# Altium PCB HVSUP_ISOL_Mainboard.PCBDOC (part 1 of 3) (continued)
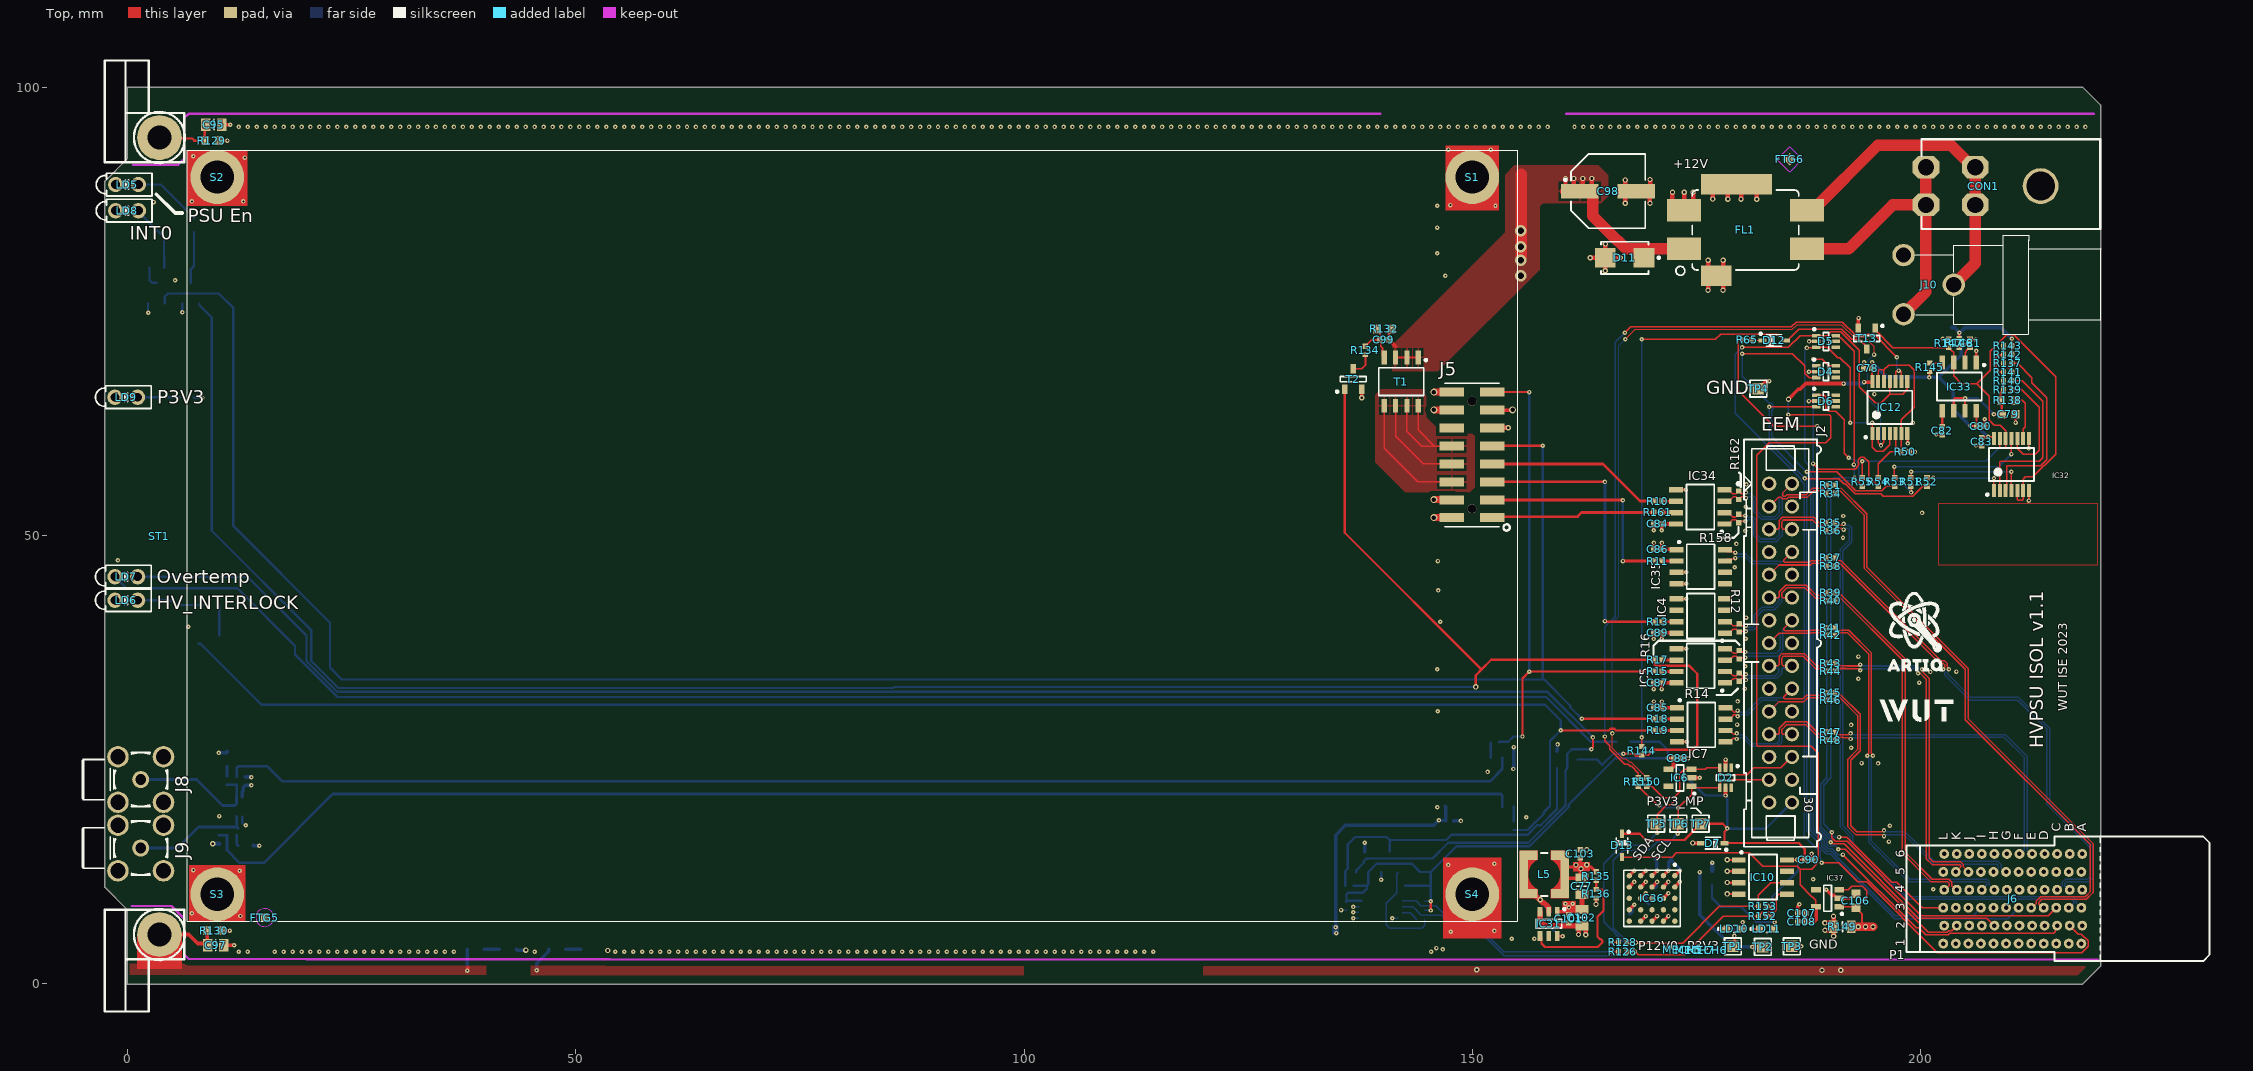
[diagram p0: Top view]
## Classes and differential pairs
net class ESD_STRIP: CHASSIS STRIP1 STRIP2
net class BP_IO.LVDS_P[0..7]: BP_IO.LVDS_P0 BP_IO.LVDS_P1 BP_IO.LVDS_P2 BP_IO.LVDS_P3 BP_IO.LVDS_P4 BP_IO.LVDS_P5 BP_IO.LVDS_P6 BP_IO.LVDS_P7
net class BP_IO.LVDS_N[0..7]: BP_IO.LVDS_N0 BP_IO.LVDS_N1 BP_IO.LVDS_N2 BP_IO.LVDS_N3 BP_IO.LVDS_N4 BP_IO.LVDS_N5 BP_IO.LVDS_N6 BP_IO.LVDS_N7
component class U_DIOT_Connectors: C78 C79 C80 C81 C82 C83 D4 D5 D6 D12 IC12 IC32 IC33 J6 R50 R51 R52 R53 R54 R55 R65 R137 R138 R139 R140 R141 R142 R143 R144 R145 R146 R147 T13
net class Hpower: GNDF P12V0F
component class U_Supply_HV_ISOL: C77 C98 C99 C100 C101 C102 C103 C104 C105 C106 C107 C108 CON1 D7 D11 D13 FL1 IC31 IC36 IC37 J10 L5 LD10 LD11 R131 R132 R133 R134 R135 R136 R159 R160 T1 T2 TP1 TP2 TP3 TP4
component class EEM_connector: C84 C85 C86 C87 C88 C89 C90 D2 IC4 IC5 IC6 IC7 IC10 IC34 IC35 J2 R10 R11 R12 R13 R14 R15 R16 R17 R18 R19 R31 R34 R35 R36 R37 R38 R39 R40 R41 R42 R43 R44 R45 R46 R47 R48 R149 R150 R151 R152 R153 R158 R161 R162 TP5 TP6 TP7
component class HVSUP_ISOL: C91 C92 C93 C94 C95 C96 C97 D10 FTG5 FTG6 FTG7 FTG8 IC29 IC30 J5 J8 J9 LD5 LD6 LD7 LD8 LD9 MECH5 MECH6 MECH7 R110 R111 R112 R113 R114 R115 R116 R117 R118 R119 R120 R121 R122 R123 R124 R125 R126 R127 R128 R129 R130 R154 R155 R156 R157 S1 S2 S3 S4 ST1 T3 T4 T9 T10 T11 T14
differential pair BP_IO.LVDS4: +BP_IO.LVDS_P4 -BP_IO.LVDS_N4
differential pair BP_IO.LVDS3: +BP_IO.LVDS_P3 -BP_IO.LVDS_N3
differential pair BP_IO.LVDS2: +BP_IO.LVDS_P2 -BP_IO.LVDS_N2
differential pair BP_IO.LVDS1: +BP_IO.LVDS_P1 -BP_IO.LVDS_N1
differential pair BP_IO.LVDS0: +BP_IO.LVDS_P0 -BP_IO.LVDS_N0
differential pair PE_CLK.CLK: +PE_CLK.CLK_P -PE_CLK.CLK_N
differential pair BP_IO.LVDS7: +BP_IO.LVDS_P7 -BP_IO.LVDS_N7
differential pair BP_IO.LVDS6: +BP_IO.LVDS_P6 -BP_IO.LVDS_N6
differential pair BP_IO.LVDS5: +BP_IO.LVDS_P5 -BP_IO.LVDS_N5
differential pair LVDS7: +LVDS7_P -LVDS7_N
differential pair LVDS6: +LVDS6_P -LVDS6_N
differential pair LVDS5: +LVDS5_P -LVDS5_N
differential pair LVDS4: +LVDS4_P -LVDS4_N
differential pair LVDS3: +LVDS3_P -LVDS3_N
differential pair LVDS2: +LVDS2_P -LVDS2_N
differential pair LVDS1: +LVDS1_P -LVDS1_N
differential pair LVDS0: +LVDS0_P -LVDS0_N

## Components (designator, comment, footprint, x,y, rotation, side; value= is the part's Value field where it differs from the comment)
C77 "22uF" CAPC2012X135N 162.234,10.891 r90 top
C78 "100nF" CAPC1005X55N 194.126,68.684 r0 top
C79 "22uF" CAPC1608X90N 209.805,63.539 r180 top
C80 "100nF" CAPC1005X55N 206.705,62.214 r180 top
C81 "1uF" CAPC1005X55N 205.52,71.45 r270 top
C82 "100nF" CAPC1005X55N 202.425,61.715 r90 top
C83 "100nF" CAPC1005X55N 206.845,60.5 r90 top
C84 "100nF" CAPC1005X55N 170.7,51.306 r0 top
C85 "100nF" CAPC1005X55N 170.7,30.806 r0 top
C86 "100nF" CAPC1005X55N 170.7,48.5 r0 top
C87 "100nF" CAPC1005X55N 170.7,33.58 r0 top
C88 "100nF" CAPC1005X55N 172.931,25.168 r180 top
C89 "100nF" CAPC1005X55N 170.7,39.176 r0 top
C90 "100nF" CAPC1005X55N 187.544,13.83 r180 top
C91 "100nF" CAPC1005X55N 13.15,22.645 r270 bottom
C92 "Undefined" CAPC1608X90N 11.08,25.025 r270 bottom
C93 "100nF" CAPC1005X55N 147.5,18.175 r180 bottom
C94 "Undefined" CAPC1608X90N 13.101,15.41 r180 bottom
C95 "Undefined" CAPC2012X135N 9.625,95.85 r0 top
C96 "100nF" CAPC1005X55N 135.95,8.703 r90 bottom
C97 "Undefined" CAPC2012X135N 9.825,4.314 r0 top
C98 "220uF" CAPAE830X620N 165.146,88.435 r0 top
C99 "1uF" CAPC1005X55N 140.15,71.845 r0 top
C100 "100nF" CAPC1005X55N 158.525,7.8 r90 bottom
C101 "100nF" CAPC1005X55N 160.776,7.275 r270 top
C102 "22uF" CAPC2012X135N 162.234,7.407 r270 top
C103 "100nF" CAPC1005X55N 162.033,14.536 r270 top
C104 "22uF" CAPC2012X135N 170.6,8.95 r180 bottom
C105 "22uF" CAPC2012X135N 171.32,13.935 r0 bottom
C106 "1uF" CAPC1608X87N 192.788,9.275 r270 top
C107 "1uF" CAPC1005X55N 186.755,7.909 r0 top
C108 "1uF" CAPC1005X55N 186.755,6.944 r0 top
CON1 "MRX56904CV" MRX56904CV 206.1,91.1 r90 top
D2 "DRTR5V0U4S-7" SOT65P210X110-6N 178.248,23 r270 top
D4 "PESD3V3L5UY" SOT65P210X110-6N 189.443,68.295 r0 top
D5 "PESD3V3L5UY" SOT65P210X110-6N 189.451,71.671 r0 top
D6 "PESD3V3L5UY" SOT65P210X110-6N 189.443,65.021 r0 top
D7 "BAT165" SOD2512X110N 176.825,15.712 r180 top
D10 "DRTR5V0U4S-7" SOT65P210X110-6N 12.8,19.775 r90 bottom
D11 "SMBJ15A" DIOM5336X265N 167,81 r180 top
D12 "BAT165" SOD2512X110N 183.665,71.775 r0 top
D13 "BAT165" SOD2512X110N 166.7,15.45 r270 top
FL1 "10A/50VDC" FIL_MURATA_BNX02 180.475,84.1 r180 top
FTG5 "Use only in PCB" FIDUCIAL_TOP_C100-200 15.3,7.4 r90 top
FTG6 "Use only in PCB" FIDUCIAL_TOP_S100-200 185.4,91.974 r90 top
FTG7 "Use only in PCB" FIDUCIAL_TOP_S100-200 16.6,9 r90 bottom
FTG8 "Use only in PCB" FIDUCIAL_TOP_S100-200 185.4,91.974 r90 bottom
IC4 "FIN1028MX" SOIC127P600X175-8N 175.493,41.041 r180 top
IC5 "FIN1028MX" SOIC127P600X175-8N 175.483,35.485 r180 top
IC6 "24AA02E48T-I/OT" SOT95P280X145-5N 173.168,22.981 r180 top
IC7 "FIN1027AMX" SOIC127P600X175-8N 175.543,28.906 r0 top
IC10 "24AA02E48T-I/SN" SOIC127P600X175-8N 182.425,11.925 r0 top
IC12 "74HC4066PW" SOP65P640X110-14N 196.57,64.325 r90 top
IC29 "SN74LVC14AD" SOIC127P600X175-14N 150.8,22.5 r270 bottom
IC30 "LM75AIMM/NOPB" SOP65P490X109-8N 139.975,8.291 r180 bottom
IC31 "AP62201WU-7" SOT95P280X100-6N 158.525,6.7 r270 top
IC32 "74HC4066PW" SOP65P640X110-14N 210.145,57.94 r90 top
IC33 "TLC555ID" SOIC127P600X175-8N 204.33,66.639 r270 top
IC34 "FIN1028MX" SOIC127P600X175-8N 175.432,53.206 r180 top
IC35 "FIN1027AMX" SOIC127P600X175-8N 175.483,46.541 r0 top
IC36 "LTM4622AEY#PBF" BGA25C127P5X5_625X625X262 170.05,9.54 r270 top
IC37 "MIC5219-3.3YM5" SOT95P280X145-5N 189.638,9.565 r180 top
J2 "IDC" 3M_N2530-6002RB 184.384,38.018 r270 top locked
J5 "PLMTD16S-CT or 87759-1650" 87759-1650 149.964,59.004 r90 top locked
J6 "P1" AMPHENOL_10052825-101LF 210.289,9.5 r90 top locked
J8 "MCX" AMPHENOL_919-383J-51A 1.465,22.8 r180 top locked
J9 "MCX" AMPHENOL_919-383J-51A 1.465,15.16 r180 top locked
J10 "Jack" SWITCHCRAFT_L712RA 198.108,74.7 r180 top
L5 "3.3uH" IND_WURTH_WE-TPC_4828 158.026,12.207 r0 top
LD5 "Green" LED_DIALIGHT_555-230 -1.336,89.169 r0 top locked
LD6 "Green" LED_DIALIGHT_555-230 -1.415,42.8 r0 top locked
LD7 "Red" LED_DIALIGHT_555-200 -1.415,45.425 r0 top locked
LD8 "Green" LED_DIALIGHT_555-230 -1.336,86.25 r0 top locked
LD9 "Green" LED_DIALIGHT_555-230 -1.424,65.445 r0 top locked
LD10 "Green" LED_KINGBRIGHT_KPH-1608CGCK 179.239,6.131 r0 top
LD11 "Green" LED_KINGBRIGHT_KPH-1608CGCK 182.861,6.131 r0 top
MECH5 "R317580000" GENERIC_MECH 173.479,3.822 r90 top
MECH6 "R317580000" GENERIC_MECH 176.273,3.782 r90 top
MECH7 "R317580000" GENERIC_MECH 174.876,3.782 r90 top
R10 "100" RESC1005X40N 170.7,53.868 r0 top
R11 "100" RESC1005X40N 170.7,47.175 r0 top
R12 "100" RESC1005X40N 179.795,39.713 r90 top
R13 "100" RESC1005X40N 170.7,40.406 r0 top
R14 "100" RESC1005X40N 179.771,34.227 r90 top
R15 "100" RESC1005X40N 170.7,34.853 r0 top
R16 "100" RESC1005X40N 179.771,36.712 r90 top
R17 "1k" RESC1005X40N 170.7,36.15 r0 top
R18 "100" RESC1005X40N 170.7,29.575 r0 top
R19 "100" RESC1005X40N 170.7,28.271 r0 top
R31 "0" RESC1005X40N 189.995,55.616 r0 top
R34 "0" RESC1005X40N 189.995,54.706 r0 top
R35 "0" RESC1005X40N 189.995,51.456 r0 top
R36 "0" RESC1005X40N 189.995,50.55 r0 top
R37 "0" RESC1005X40N 189.975,47.525 r0 top
R38 "0" RESC1005X40N 189.975,46.6 r0 top
R39 "0" RESC1005X40N 190,43.625 r0 top
R40 "0" RESC1005X40N 190,42.75 r0 top
R41 "0" RESC1005X40N 189.995,39.75 r0 top
R42 "0" RESC1005X40N 190,38.875 r0 top
R43 "0" RESC1005X40N 190,35.775 r0 top
R44 "0" RESC1005X40N 190,34.9 r0 top
R45 "0" RESC1005X40N 190,32.5 r0 top
R46 "0" RESC1005X40N 190,31.625 r0 top
R47 "0" RESC1005X40N 190,28.1 r0 top
R48 "0" RESC1005X40N 190,27.2 r0 top
R50 "200" RESC1005X40N 198.27,59.35 r180 top
R51 "22" RESC1005X40N 198.914,55.992 r270 top
R52 "22" RESC1005X40N 200.72,55.992 r270 top
R53 "22" RESC1005X40N 197.108,55.992 r270 top
R54 "22" RESC1005X40N 195.301,55.992 r270 top
R55 "22" RESC1005X40N 193.495,55.992 r270 top
R65 "22" RESC1005X40N 180.679,71.836 r180 top
R110 "51" RESC1005X40N 12.175,22.645 r90 bottom
R111 "51" RESC1005X40N 152.515,26.925 r0 bottom
R112 "51" RESC1005X40N 11.085,22.7 r270 bottom
R113 "51" RESC1005X40N 11.085,17.05 r270 bottom
R114 "10k" RESC1005X40N 10.2,16.1 r270 bottom
R115 "51" RESC1005X40N 12.175,17.035 r90 bottom
R116 "100" RESC1005X40N 154.61,17.64 r270 bottom
R117 "220" RESC1608X55N 3.25,79.9 r180 bottom
R118 "220" RESC1608X55N 6.6,65.45 r0 bottom
R119 "220" RESC1608X55N 7.4,84.675 r270 bottom
R120 "220" RESC1608X55N 9.35,42.275 r0 bottom
R121 "220" RESC1608X55N 166.861,27.001 r180 bottom
R122 "10k" RESC1005X40N 136.298,10.966 r180 bottom
R123 "10k" RESC1005X40N 142.04,10.966 r180 bottom
R124 "10k" RESC1005X40N 144.25,9.216 r0 bottom
R125 "10k" RESC1005X40N 144.25,8.191 r0 bottom
R126 "0" RESC1005X40N 166.777,3.6 r180 top
R127 "0" RESC1005X40N 144.25,7.141 r0 bottom
R128 "0" RESC1005X40N 166.777,4.621 r180 top
R129 "0" RESC1608X55N 9.414,94.075 r180 top
R130 "0" RESC1608X55N 9.675,5.95 r180 top
R131 "10k" RESC1005X40N 179.725,6.131 r180 bottom
R132 "100k" RESC1608X55N 140.189,73.069 r0 top
R133 "1k" RESC1608X55N 176.75,11.8 r270 bottom
R134 "10k" RESC1005X40N 138.075,70.67 r90 top
R135 "31k6" RESC1005X35N 163.834,12.036 r90 top
R136 "10k" RESC1005X40N 163.834,10.064 r90 top
R137 "10k" RESC1005X40N 209.73,69.23 r0 top
R138 "2k7" RESC1608X55N 209.755,65.089 r0 top
R139 "5k6" RESC1005X40N 209.73,66.289 r0 top
R140 "10k" RESC1005X40N 209.73,67.269 r0 top
R141 "10k" RESC1005X40N 209.73,68.25 r0 top
R142 "1k6" RESC1005X40N 209.73,70.211 r0 top
R143 "1k6" RESC1005X40N 209.73,71.191 r0 top
R144 "0" RESC1005X40N 168.897,26.015 r90 top
R145 "0" RESC1005X40N 201.005,68.789 r270 top
R146 "10k" RESC1005X40N 204.318,71.501 r270 top
R147 "10k" RESC1005X40N 203.124,71.45 r270 top
R149 "0" RESC2012X60N 191.289,6.377 r0 top
R150 "0" RESC1005X40N 169.484,22.531 r90 top
R151 "0" RESC1005X40N 168.508,22.531 r90 top
R152 "10k" RESC1005X40N 182.391,7.542 r0 top
R153 "10k" RESC1005X40N 182.391,8.637 r0 top
R154 "4M7" RESC2113X55N 47.909,3.85 r0 bottom
R155 "4M7" RESC2113X55N 51.5,3.85 r0 bottom
R156 "4M7" RESC2113X55N 42.425,3.85 r180 bottom
R157 "4M7" RESC2113X55N 38.825,3.85 r180 bottom
R158 "100" RESC1005X40N 179.732,51.924 r90 top
R159 "10k" RESC1005X40N 170.878,10.734 r0 bottom
R160 "13k3" RESC1608X55N 167.51,7 r90 bottom
R161 "100" RESC1005X40N 170.7,52.596 r0 top
R162 "100" RESC1005X40N 179.732,54.513 r90 top
S1 "9774030151" 9774030151#1 150,90 r0 top locked
S2 "9774030151" 9774030151#2 10,90 r0 top locked
S3 "9774030151" 9774030151#2 10,10 r0 top locked
S4 "9774030151" 9774030151#2 150,10 r0 top locked
ST1 "SCHROFF_PANEL_3U_4HP" SCHROFF_PANEL_3HP_4U 3.556,5.512 r0 top locked
T1 "SI4425DDY-T1-GE3" SOIC127P600X175-8N 142.075,67.195 r270 top
T2 "BSS138LT1G" SOT95P240X110-3N 136.725,67.47 r90 top
T3 "BSS138LT1G" SOT95P240X110-3N 3.204,77.062 r90 bottom
T4 "BSS138LT1G" SOT95P240X110-3N 7.059,77.062 r90 bottom
T9 "BSS138LT1G" SOT95P240X110-3N 9.075,38.9 r0 bottom
T10 "BSS138LT1G" SOT95P240X110-3N 137.05,13.616 r270 bottom
T11 "BSS138LT1G" SOT95P240X110-3N 140.8,13.616 r90 bottom
T13 "BSH103" SOT95P230X110-3N 194,72 r270 top
T14 "BSS138LT1G" SOT95P240X110-3N 160.594,25.025 r0 bottom
TP1 "Test Point" TPS127 179.075,4.188 r0 top
TP2 "Test Point" TPS127 182.415,4.125 r90 top
TP3 "Test Point" TPS127 185.654,4.188 r90 top
TP4 "Test Point" TPS127 181.9,66.4 r90 top
TP5 "Test Point" TPS127 170.496,17.87 r0 top
TP6 "Test Point" TPS127 172.981,17.87 r180 top
TP7 "Test Point" TPS127 175.466,17.87 r180 top

## Footprints (in the part's own frame and the unit in brackets; to place one, negate y for a bottom-side part, rotate by r counter-clockwise, add the part's x,y. Pads: shape width x height; smd on the part's side, far side on the other; paste and mask are expansions set on the pad)
3M_N2530-6002RB [mm] "30 Contacts - Straight .100\" x .100\" Low Profile Four-Wall Header"
  round 1.6 hole 1: 1(-17.78,-1.27) 2(-17.78,1.27) 3(-15.24,-1.27) 4(-15.24,1.27) 5(-12.7,-1.27) 6(-12.7,1.27) 7(-10.16,-1.27) 8(-10.16,1.27) 9(-7.62,-1.27) 10(-7.62,1.27) 11(-5.08,-1.27) 12(-5.08,1.27) 13(-2.54,-1.27) 14(-2.54,1.27) 15(0,-1.27) 16(0,1.27) 17(2.54,-1.27) 18(2.54,1.27) 19(5.08,-1.27) 20(5.08,1.27) 21(7.62,-1.27) 22(7.62,1.27) 23(10.16,-1.27) 24(10.16,1.27) 25(12.7,-1.27) 26(12.7,1.27) 27(15.24,-1.27) 28(15.24,1.27) 29(17.78,-1.27) 30(17.78,1.27)
  silkscreen extent -22.71,-4.85 22.71,4.52, body extent -22.71,-4.11 22.71,4.52, height 9.91
87759-1650 [mm] "2mm pin header"
  rect 1x2.75 smd: 1(-7,-2.25) 2(-7,2.25) 3(-5,-2.25) 4(-5,2.25) 5(-3,-2.25) 6(-3,2.25) 7(-1,-2.25) 8(-1,2.25) 9(1,-2.25) 10(1,2.25) 11(3,-2.25) 12(3,2.25) 13(5,-2.25) 14(5,2.25) 15(7,-2.25) 16(7,2.25)
  round 1 hole 1 unplated: ""(-6,0) ""(6,0)
  silkscreen extent -8.44,-4.22 8,3, body extent -8,-2.75 7.9,2.75, height 6.55
9774030151#1 [mm] "SMD Steel Spacer with internal Thread"
  round 6 smd paste-2539.97: 1(0,0)
  round 0 / inner round 0 / far side oval 6x0 hole 3.7 unplated: ""(0,0)
  body extent -2.55,-2.54 2.53,2.55, height 3
9774030151#2 [mm] "SMD Steel Spacer with internal Thread"
  round 6 smd paste-2539.97: 1(0,0)
  round 0 hole 3.7 unplated: ""(0,0)
  body extent -2.55,-2.54 2.53,2.55, height 3
AMPHENOL_919-383J-51A [mm] "50 Ohm, RF Connector, MCX Right Angle PCB Receptacle Jack"
  round 1.9 hole 1.2: 1(0,0)
  round 2.4 hole 1.7: 2(-2.54,2.54) 2(-2.54,-2.54) 2(2.54,2.54) 2(2.54,-2.54)
  silkscreen extent -3,-3 6.5,3, body extent -3,-3 6.5,3, height 6
AMPHENOL_10052825-101LF [mm] "72 Contacts, 2mm Pitch, 6 Columns, 4 Pairs per Column, 4 Walls, Right Angle Header"
  round 1.1 hole 0.5: A1(-5,-7.65) A2(-3,-7.75) A3(-1,-7.65) A4(1,-7.75) A5(3,-7.65) A6(5,-7.75) B1(-5,-6.25) B2(-3,-6.35) B3(-1,-6.25) B4(1,-6.35) B5(3,-6.25) B6(5,-6.35) C1(-5,-4.85) C2(-3,-4.95) C3(-1,-4.85) C4(1,-4.95) C5(3,-4.85) C6(5,-4.95) D1(-5,-3.45) D2(-3,-3.55) D3(-1,-3.45) D4(1,-3.55) D5(3,-3.45) D6(5,-3.55) E1(-5,-2.05) E2(-3,-2.15) E3(-1,-2.05) E4(1,-2.15) E5(3,-2.05) E6(5,-2.15) F1(-5,-0.65) F2(-3,-0.75) F3(-1,-0.65) F4(1,-0.75) F5(3,-0.65) F6(5,-0.75) G1(-5,0.75) G2(-3,0.65) G3(-1,0.75) G4(1,0.65) G5(3,0.75) G6(5,0.65) H1(-5,2.15) H2(-3,2.05) H3(-1,2.15) H4(1,2.05) H5(3,2.15) H6(5,2.05) I1(-5,3.55) I2(-3,3.45) I3(-1,3.55) I4(1,3.45) I5(3,3.55) I6(5,3.45) J1(-5,4.95) J2(-3,4.85) J3(-1,4.95) J4(1,4.85) J5(3,4.95) J6(5,4.85) K1(-5,6.35) K2(-3,6.25) K3(-1,6.35) K4(1,6.25) K5(3,6.35) K6(5,6.25) L1(-5,7.75) L2(-3,7.65) L3(-1,7.75) L4(1,7.65) L5(3,7.75) L6(5,7.65)
  silkscreen extent -6.95,-21.95 6.95,11.85, body extent -6.95,-21.95 6.95,11.85, height 15.25
BGA25C127P5X5_625X625X262 [mm] "BGA, 1.27mm Pitch, Square; 25 Pin, 5 Columns X 5 Rows, 6.25mm X 6.25mm X 2.62mm H"
  round 0.6 smd: A1(-2.54,2.54) A2(-1.27,2.54) A3(0,2.54) A4(1.27,2.54) A5(2.54,2.54) B1(-2.54,1.27) B2(-1.27,1.27) B3(0,1.27) B4(1.27,1.27) B5(2.54,1.27) C1(-2.54,0) C2(-1.27,0) C3(0,0) C4(1.27,0) C5(2.54,0) D1(-2.54,-1.27) D2(-1.27,-1.27) D3(0,-1.27) D4(1.27,-1.27) D5(2.54,-1.27) E1(-2.54,-2.54) E2(-1.27,-2.54) E3(0,-2.54) E4(1.27,-2.54) E5(2.54,-2.54)
  silkscreen extent -3.87,-3.15 3.15,3.15, body extent -3.12,-3.12 3.13,3.13, height 2.62
CAPAE830X620N [mm] "Capacitor, Aluminium Electrolytric, 8.3mm L X 8.3mm W X 6.2mm H, IPC Medium Density"
  rect 4.15x1.6 smd: 1(-3.15,0) 2(3.15,0)
  silkscreen extent -4.9,-4.15 4.15,4.15, body extent -4.75,-4.25 4.75,4.25, height 6.2
CAPC1005X55N [mm] "Capacitor, Non-Polarized, Chip; 1.00mm L X 0.50mm W X 0.70mm H, IPC Medium Density"
  rect 0.62x0.62 smd: 1(-0.45,0) 2(0.45,0)
  body extent -0.52,-0.27 0.53,0.28, height 0.55
CAPC1608X87N [mm] "Chip Capacitor, Body 1.6x0.8mm IPC Medium Density"
  rect 0.95x1 smd: 1(-0.8,0) 2(0.8,0)
  body extent -0.87,-0.47 0.88,0.48, height 0.87
CAPC1608X90N [mm] "Chip Capacitor, Body 1.6x0.8mm IPC Medium Density"
  rect 0.95x0.95 smd: 1(-0.75,0) 2(0.75,0)
  body extent -0.85,-0.45 0.85,0.45, height 0.9
CAPC2012X135N [mm] "Chip Capacitor, Body 2.0x1.25mm, IPC Medium Density"
  rect 1.05x1.4 smd: 1(-0.9,0) 2(0.9,0)
  silkscreen extent 0,-0.58 0,0.58, body extent -1.05,-0.67 1.05,0.68, height 1.25
DIOM5336X265N [mm] "DO-214-AA/SMB Diode, Molded Body; 5.34mm L X 3.625mm W X 2.65mm H, IPC Medium Density"
  rect 2.3x2.15 smd: 1(-2.15,0) 2(2.15,0)
  silkscreen extent -3.93,-1.8 2.65,1.8, body extent -2.7,-1.95 2.7,1.95, height 2.4
FIDUCIAL_TOP_C100-200 [mm] "Round Fiducial Target, Top Layer, 1.0mm, Top Solder 2.0mm, Keepout =2.0mm"
  round 1 smd paste-0.51 mask+0.5: FTG2(0,0)
  Top keep-out circle w0.1: c0,0 r1
FIDUCIAL_TOP_S100-200 [mm] "Square Fiducial Target, Top Layer, 1.0mm, Top Solder 2.0mm, Keepout =2.0mm"
  rect 1x1 smd rot 45 paste-0.51 mask+0.5: 1(0,0)
  Top keep-out region: 1.414,0 0,-1.414 -1.414,0 0,1.414
FIL_MURATA_BNX02 [mm] "Block Type EMIFIL LC Combined Type, BNX02* Series"
  rect 3.8x2.5 smd: 1(-6.85,2.1) 2(6.85,2.1) 3(-6.85,-2.2) 4(6.85,-2.2)
  rect 7.9x2.3 smd: 4(1,-5.1)
  rect 3.4x2.3 smd: 4(3.25,5.1)
  silkscreen extent -5.95,-4.45 7.77,5.05, body extent -6.05,-4.55 6.05,4.55, height 3.1
GENERIC_MECH [mm]
IND_WURTH_WE-TPC_4828 [mm] "Shielded Tiny Power Inductor, Body 4.8x4.8mm"
  rect 0.95x5.3 smd: 1(-2.275,0) 2(2.275,0)
  rect 1.05x1.014 smd: 1(-1.275,-2.143) 1(-1.275,2.143) 2(1.275,-2.143) 2(1.275,2.143)
  Top region: 0.75,-2.65 2.75,-2.65 2.75,2.65 0.75,2.65 0.75,1.636 1.394,1.138 1.753,0.407 1.753,-0.407 1.394,-1.138 0.75,-1.636 0.75,-1.636
  Top region: -2.75,-2.65 -0.75,-2.65 -0.75,-1.636 -1.394,-1.138 -1.753,-0.407 -1.753,0.407 -1.394,1.138 -0.75,1.636 -0.75,1.636 -0.75,2.65 -2.75,2.65
  Top region: 2.75,-2.65 0.75,-2.65 0.75,-1.636 1.394,-1.138 1.753,-0.407 1.753,0.407 1.394,1.138 0.75,1.636 0.75,1.636 0.75,2.65 2.75,2.65
  silkscreen extent -0.35,-2.4 0.35,2.4, body extent -2.4,-2.4 2.4,2.4, height 2.8
LED_DIALIGHT_555-200 [mm] "Single 2mm Red LED, Body 5.08x2.54mm, Pin spacing 2.54mm"
  round 1.7 hole 1: 1(2.54,0) 2(0,0)
  silkscreen extent -2.16,-1.27 4.06,1.27, body extent -2.16,-1.27 4.06,1.27, height 6.35
LED_DIALIGHT_555-230 [mm] "Single 2mm Green LED, Body 5.08x2.54mm, Pin spacing 2.54mm"
  round 1.7 hole 1: 1(2.54,0) 2(0,0)
  silkscreen extent -2.16,-1.27 4.06,1.27, body extent -2.16,-1.27 4.06,1.27, height 6.35
LED_KINGBRIGHT_KPH-1608CGCK [mm] "SMT Green LED, Case 0603, Body L 1.6 x W 0.8mm H 0.65mm"
  rect 0.8x0.8 smd: 1(-0.825,0) 2(0.825,0)
  silkscreen extent -1.82,-0.4 0.08,0.4, body extent -0.8,-0.4 0.8,0.4, height 0.65
MRX56904CV [mm]
  oct 2.5x3 hole 1.8: 1(0,0) 2(-4.2,0) 3(0,5.5) 4(-4.2,5.5)
  round 4 hole 3.2: 9(-2.1,-7.3)
  silkscreen extent -6.88,-13.94 3.12,5.99, body extent -6.88,-14.02 3.12,5.92, height 11.4
RESC1005X35N [mm] "Chip Resistor, EIA 0402, Metric 1005, Body 1.0x0.5mm, IPC Medium Density"
  rect 0.58x0.62 smd: 1(-0.47,0) 2(0.47,0)
  body extent -0.52,-0.27 0.53,0.28, height 0.35
RESC1005X40N [mm] "Chip Resistor, EIA 0402, Metric 1005, Body 1.0x0.5mm, IPC Medium Density"
  rect 0.58x0.62 smd: 1(-0.47,0) 2(0.47,0)
  body extent -0.52,-0.27 0.53,0.28, height 0.4
RESC1608X55N [mm] "Chip Resistor, EIA 0603, Metric 1608, Body 1.6x0.8mm, IPC Medium Density"
  rect 0.9x1 smd: 1(-0.8,0) 2(0.8,0)
  body extent -0.87,-0.47 0.88,0.48, height 0.55
RESC2012X60N [mm] "Chip Resistor, EIA 0805, Metric 2012, Body 2.0x1.2mm, IPC Medium Density"
  rect 0.95x1.4 smd: 1(-1,0) 2(1,0)
  silkscreen extent 0,-0.55 0,0.55, body extent -1.1,-0.67 1.1,0.68, height 0.6
RESC2113X55N [mm] "Chip Resistor, EIA 0805, Metric 2113, Body 2.05x1.3mm, IPC Medium Density"
  rect 1x1.45 smd: 1(-0.95,0) 2(0.95,0)
  silkscreen extent 0,-0.55 0,0.55, body extent -1,-0.62 1,0.63, height 0.55
SCHROFF_PANEL_3HP_4U [mm] "Schroff PCB 3HP 4U Eurocard Panel Kit"
  round 5 hole 2.7: 0(0,0) 1(0,88.9)
  silkscreen extent -6.1,-8.6 2.75,97.5
SOD2512X110N [mm] "Small Outline Diode (SOD-323), 1.70mm W X 1.25mm L X 1.10mm H body,  IPC Medium Density"
  rect 0.9x0.5 smd: 1(-1.3,0) 2(1.3,0)
  silkscreen extent -1.63,-0.65 0.85,0.87, body extent -1.35,-0.67 1.35,0.68, height 1.1
SOIC127P600X175-8N [mm] "SOIC 8, Pitch 1.27mm - Body 4x5mm, IPC Medium Density"
  rect 1.55x0.6 smd: 1(-2.7,1.905) 2(-2.7,0.635) 3(-2.7,-0.635) 4(-2.7,-1.905) 5(2.7,-1.905) 6(2.7,-0.635) 7(2.7,0.635) 8(2.7,1.905)
  silkscreen extent -2.53,-2.5 1.55,2.88, body extent -3.1,-2.5 3.1,2.5, height 1.75
SOIC127P600X175-14N [mm] "SOIC 14, Pitch 1.27mm - Body 4x8.75mm, IPC Medium Density"
  rect 1.55x0.6 smd: 1(-2.7,3.81) 2(-2.7,2.54) 3(-2.7,1.27) 4(-2.7,0) 5(-2.7,-1.27) 6(-2.7,-2.54) 7(-2.7,-3.81) 8(2.7,-3.81) 9(2.7,-2.54) 10(2.7,-1.27) 11(2.7,0) 12(2.7,1.27) 13(2.7,2.54) 14(2.7,3.81)
  silkscreen extent -2.52,-4.4 1.55,4.78, body extent -3.1,-4.37 3.1,4.38, height 1.75
SOP65P490X109-8N [mm] "SOP, 0.65mm pitch; 8 pin,3.00mm W X 3.00mm L X 1.09mm H bodyI, PC Medium Density"
  rect 1.5x0.45 smd: 1(-2.2,0.975) 2(-2.2,0.325) 3(-2.2,-0.325) 4(-2.2,-0.975) 5(2.2,-0.975) 6(2.2,-0.325) 7(2.2,0.325) 8(2.2,0.975)
  silkscreen extent -2.83,-1.5 1.12,1.82, body extent -2.45,-1.55 2.45,1.55, height 1.09
SOP65P640X110-14N [mm] "SOP, 14-Leads, Body 4.4x5mm (max), Pitch 0.65mm, IPC Medium Density"
  rect 1.45x0.45 smd: 1(-2.9,1.95) 2(-2.9,1.3) 3(-2.9,0.65) 4(-2.9,0) 5(-2.9,-0.65) 6(-2.9,-1.3) 7(-2.9,-1.95) 8(2.9,-1.95) 9(2.9,-1.3) 10(2.9,-0.65) 11(2.9,0) 12(2.9,0.65) 13(2.9,1.3) 14(2.9,1.95)
  silkscreen extent -3.47,-2.5 1.85,2.82, body extent -3.12,-2.55 3.12,2.55, height 1.1
SOT65P210X110-6N [mm] "SOT363, SC70-6, SOT, 0.65mm Pitch, 6 Pin, 1.25mm W X 2.00mm L X 1.10mm H, IPC Medium Density"
  rect 0.95x0.4 smd: 1(-1.1,0.65) 2(-1.1,0) 3(-1.1,-0.65) 4(1.1,-0.65) 5(1.1,0) 6(1.1,0.65)
  silkscreen extent -1.42,-1 0.3,1.48, body extent -1.2,-1.1 1.2,1.1, height 1.1
SOT95P230X110-3N [mm] "SOT23, 3 pin, Pitch 0.95mm - 1.3mm W X 2.9mm L X 1.1mm H, IPC Medium Density"
  rect 1x0.6 smd: 1(-1.15,0.95) 2(-1.15,-0.95) 3(1.15,0)
  silkscreen extent -1.52,-1.45 0.33,1.88, body extent -1.08,-1.5 1.25,1.5, height 1.1
SOT95P240X110-3N [mm] "SOT23 3-Leads, Pitch 0.95mm, Body 1.3x2.9mm, IPC Medium Density"
  rect 1.05x0.65 smd: 1(-1.15,0.95) 2(-1.15,-0.95) 3(1.15,0)
  silkscreen extent -1.52,-1.45 0.3,1.92, body extent -1.25,-1.5 1.25,1.5, height 1.1
SOT95P280X100-6N [mm] "SOT23, 0.95mm pitch; 6 pin, 1.625mm W X 2.90mm L X 1.00mm H body, IPC Medium Density"
  rect 1.1x0.55 smd: 1(-1.35,0.95) 2(-1.35,0) 3(-1.35,-0.95) 4(1.35,-0.95) 5(1.35,0) 6(1.35,0.95)
  silkscreen extent -1.77,-1.45 0.48,1.88, body extent -1.4,-1.5 1.4,1.5, height 1
SOT95P280X145-5N [mm] "SOT, 0.95mm pitch; 5 pin, 1.60mm W X 2.90mm L X 1.45mm H body, IPC Medium Density"
  rect 1.1x0.6 smd: 1(-1.3,0.95) 2(-1.3,0) 3(-1.3,-0.95) 4(1.3,-0.95) 5(1.3,0.95)
  silkscreen extent -1.73,-1.45 0.43,1.87, body extent -1.4,-1.5 1.4,1.5, height 1.45
SWITCHCRAFT_L712RA [mm] "CONN PWR JACK 2.5X5.5MM SOLDER"
  round 2.5 hole 1.7: 1(-5.6,-3.3) 2(0,-6.6) 3(0,0)
  silkscreen extent -22,-8.84 -1.32,2.21, body extent -22,-8.84 1.35,2.18, height 13.9
TPS127 [mm] "1.27 x  1.27mm SMD Test Point Area"
  rect 1.27x1.27 smd paste-1.27: 1(0,0)
  silkscreen extent -0.94,-0.94 0.94,0.94
